# Altium PCB HTBBMSALL4G.PcbDoc (part 2 of 4)
Units mm, origin at the board's own origin, x right, y up, seen from the top; angles counter-clockwise.
Board outline 80.2 x 36.15 mm, 4 copper layers (Top Layer, SIG02, SIG03, Bottom Layer), stack 0.603 mm thick; 186 components, 121 nets, 547 pads, 871 vias.
Unrouted connection lines stored in the file: 10.
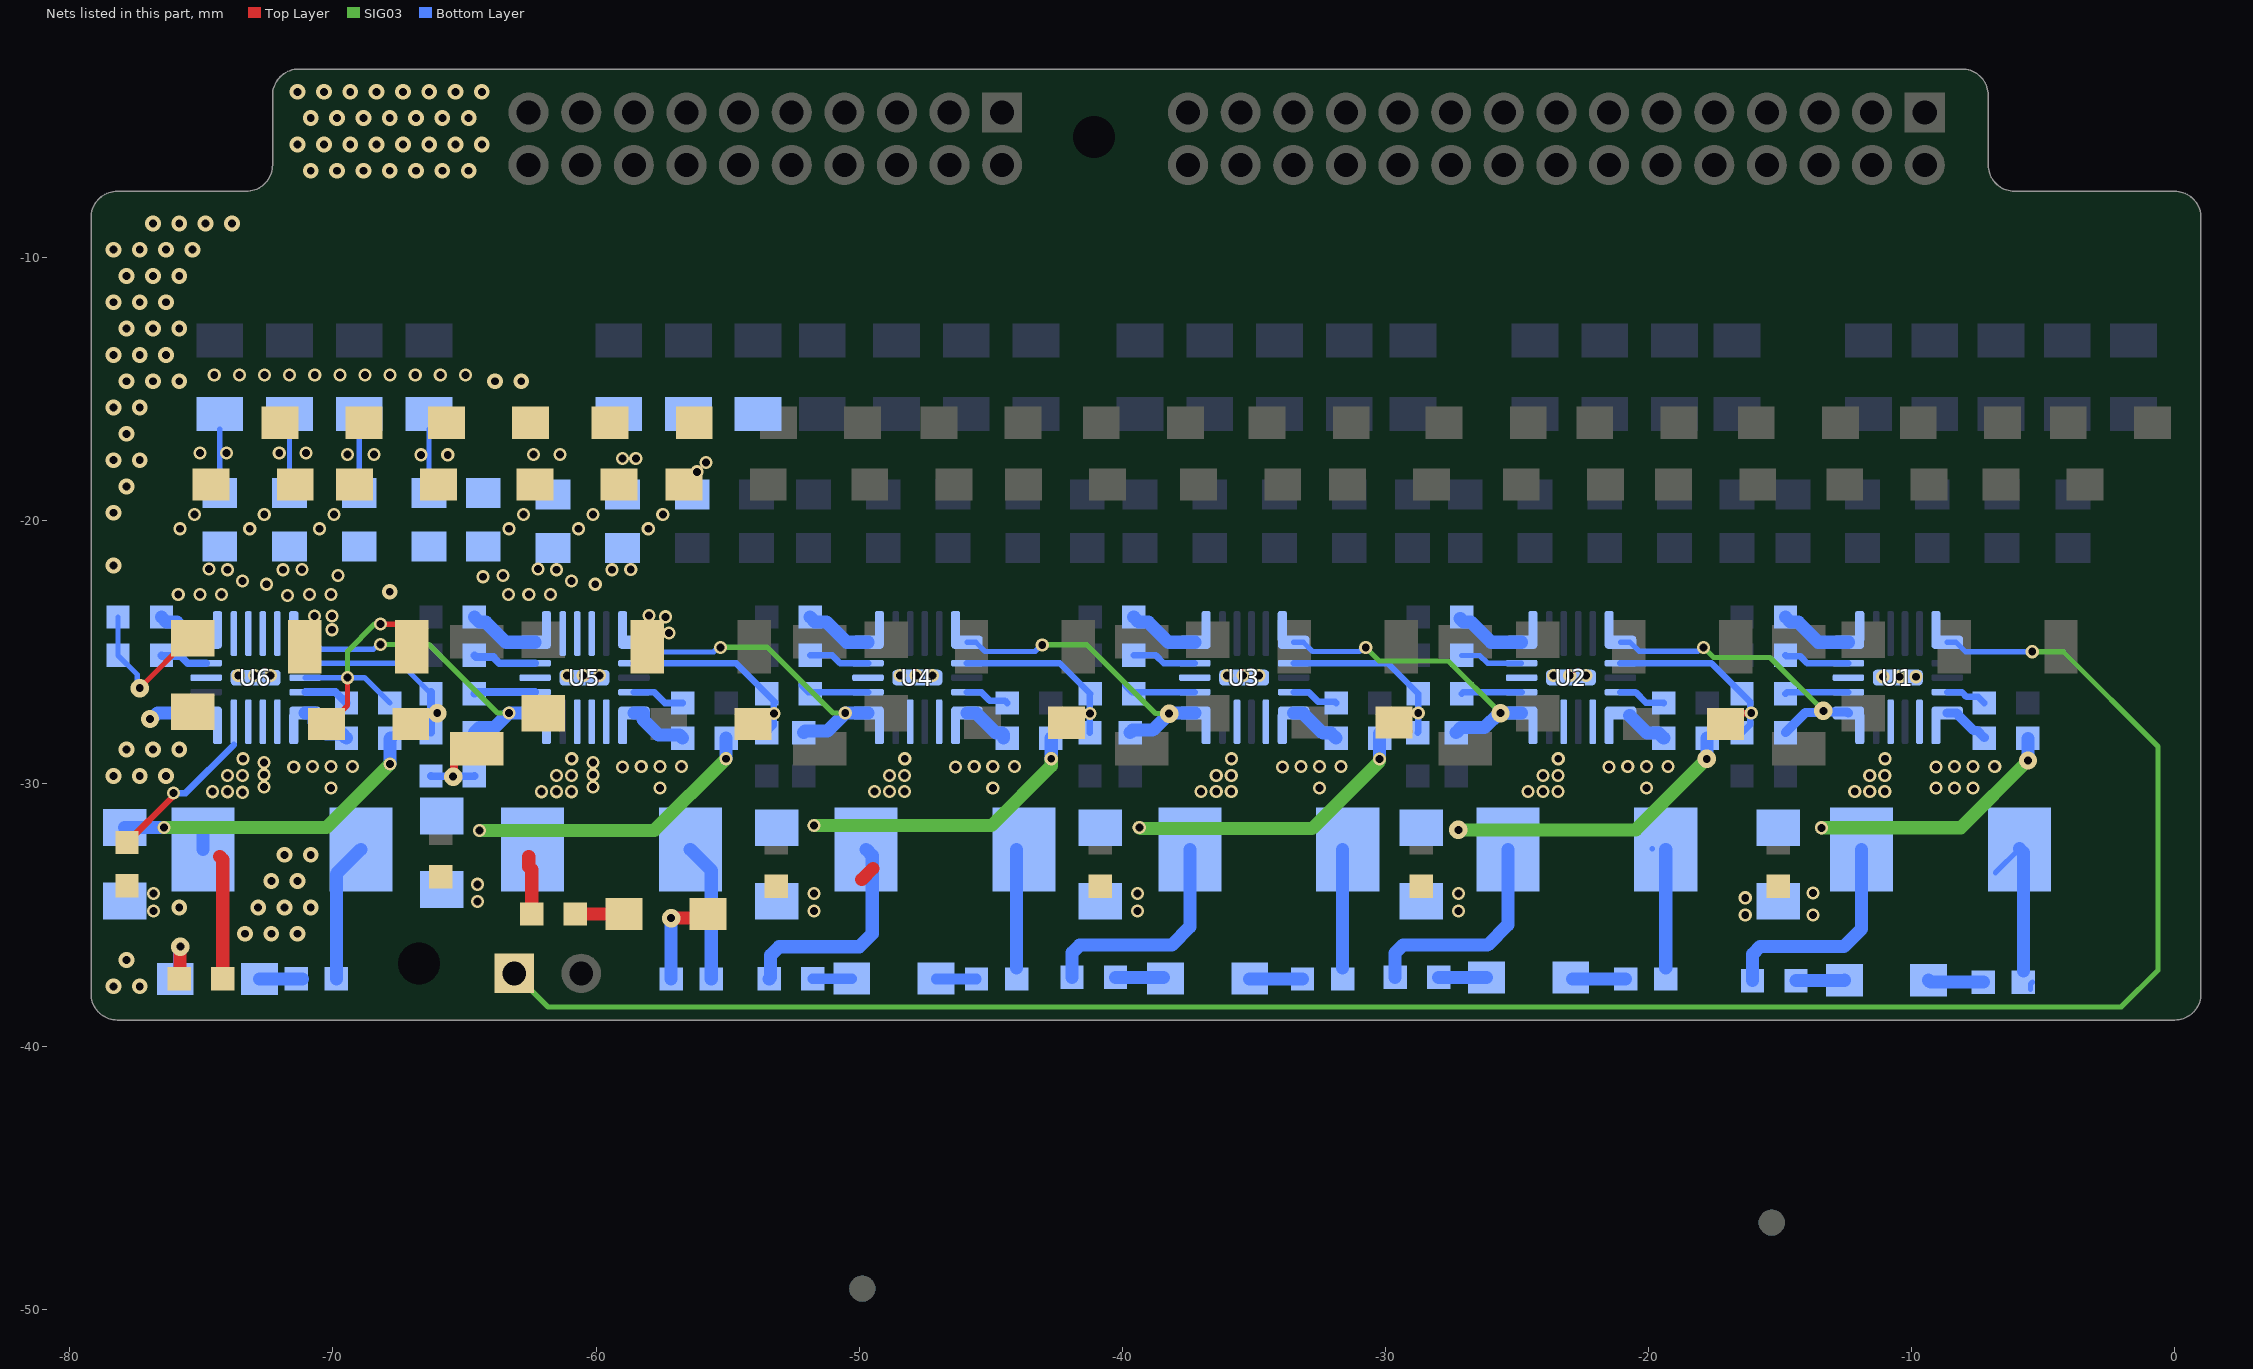
[diagram p4: the nets of this part, all layers, seen from the top]

## Via types
v1: diameter 0.5, hole 0.3, Top Layer to Bottom Layer, tented both sides, 551 vias
v2: diameter 0.6, hole 0.3, Top Layer to Bottom Layer, tented both sides, 221 vias
v3: diameter 0.5/0.5/0.5/0.5 (per signal layer), hole 0.3, Top Layer to Bottom Layer, tented both sides, 86 vias
v4: diameter 0.7, hole 0.3, Top Layer to Bottom Layer, tented both sides, 10 vias
v5: diameter 0.7, hole 0.3, Top Layer to Bottom Layer, 3 vias

## Nets (pads, with @x,y where several pads share a name; then routed paths per layer and width w, separated by ;. In a path a pad name is that pad's centre, name@x,y a point inside that pad or via, vN(x,y) a via of type N, cw(c..) or ccw(c..) an arc to the next point about the centre after c; other vN are vias at no path point) (continued)
N18: C5.1 C6.2 D218.2 D219.1 F18.2 U5.4
  other v1: -60.032,-22.436 -59.399,-21.882 -58.681,-21.874
  other v3: -58.015,-20.326 -57.464,-19.785 -56.168,-18.161 -55.821,-17.805
N19: C2.1 C5.2 D219.2 D220.1 F19.2 U5.3
  other v1: -60.934,-22.309 -61.505,-21.882 -62.209,-21.857
  other v3: -60.665,-20.326 -60.114,-19.785 -58.992,-17.653 -58.49,-17.653
N20: C2.2 C19.1 C39.1 C51.1 C52.1 C53.1 D2.2 D4.1 D6.1 D10.1 D220.2 F20.2 R9.2 R14.2 U5.2 U6.8 U6.14 | length 21.7
  Top Layer w0.2: v4(-77.344,-26.384) -77.344,-26.377 -75.449,-24.482 C19.1@-75.322,-24.482 ; D6.1@-70.247,-27.746 -70.157,-27.746 -69.451,-27.041 v1(-69.451,-25.985) ; v1(-68.197,-23.95) -67.54,-23.95 -67.005,-24.485 D4.1@-67.005,-24.809
  Top Layer w0.25: C39.1@-77.828,-32.25 -76.109,-30.531 -76.109,-30.42 v1(-76.061,-30.373)
  SIG03 w0.2: v1(-69.451,-25.985) -69.451,-24.984 -68.418,-23.95 v1(-68.197,-23.95)
  Bottom Layer w0.2: R14.2@-78.169,-23.68 R9.2@-78.169,-25.139 -77.44,-25.868 -77.44,-26.289 v4(-77.344,-26.384) ; U6.8@-71.06,-25.985 v1(-69.451,-25.985) -68.8,-25.985 C52.1@-67.837,-26.949
  Bottom Layer w0.25: v1(-76.061,-30.373) -75.605,-30.373 -73.765,-28.532
  other v1: -57.222,-24.284 -57.367,-23.672 -57.989,-23.628 -63.331,-22.819 -62.557,-22.822 -61.731,-22.822 -64.297,-22.149 -63.535,-22.103 -74.511,-14.486 -73.557,-14.486 -72.602,-14.486 -71.648,-14.486 -70.693,-14.486 -69.739,-14.486 -68.784,-14.486 -67.83,-14.486 -66.875,-14.486 -65.921,-14.486 -64.966,-14.486
  other v2: -78.344,-37.718 -77.344,-37.718 -77.844,-36.718 -73.344,-35.718 -72.344,-35.718 -71.344,-35.718 -75.844,-34.718 -72.844,-34.718 -71.844,-34.718 -70.844,-34.718 -72.344,-33.718 -71.344,-33.718 -71.844,-32.718 -70.844,-32.718 -78.344,-29.718 -77.344,-29.718 -76.344,-29.718 -77.844,-28.718 -76.844,-28.718 -75.844,-28.718 -67.844,-22.718 -78.344,-21.718 -78.344,-19.718 -77.844,-18.718 -78.344,-17.718 -77.344,-17.718 -77.844,-16.718 -78.344,-15.718 -77.344,-15.718 -77.844,-14.718 -76.844,-14.718 -75.844,-14.718 -63.844,-14.718 -62.844,-14.718 -78.344,-13.718 -77.344,-13.718 -76.344,-13.718 -77.844,-12.718 -76.844,-12.718 -75.844,-12.718 -78.344,-11.718 -77.344,-11.718 -76.344,-11.718 -77.844,-10.718 -76.844,-10.718 -75.844,-10.718 -78.344,-9.718 -77.344,-9.718 -76.344,-9.718 -75.344,-9.718 -76.844,-8.718 -75.844,-8.718 -74.844,-8.718 -73.844,-8.718 -70.844,-6.718 -69.844,-6.718 -68.844,-6.718 -67.844,-6.718 -66.844,-6.718 -65.844,-6.718 -64.844,-6.718 -71.344,-5.718 -70.344,-5.718 -69.344,-5.718 -68.344,-5.718 -67.344,-5.718 -66.344,-5.718 -65.344,-5.718 -64.344,-5.718 -70.844,-4.718 -69.844,-4.718 -68.844,-4.718 -67.844,-4.718 -66.844,-4.718 -65.844,-4.718 -64.844,-4.718 -71.344,-3.718 -70.344,-3.718 -69.344,-3.718 -68.344,-3.718 -67.344,-3.718 -66.344,-3.718 -65.344,-3.718 -64.344,-3.718
  other v3: -63.315,-20.326 -62.764,-19.785 -62.382,-17.508 -61.372,-17.508
N21: C1.2 C50.1 C51.2 C53.2 D9.1 D10.2 F24.2 R17.2 R18.1 TVS1.2 U5.12 U6.5 | length 6.8
  Top Layer w0.3: v4@-65.415,-29.728 -65.401,-29.714 TVS1.2@-65.401,-29.171 ; TVS1.2@-65.401,-29.171 TVS1.2@-64.916,-28.686 ; TVS1.2@-65.401,-29.171 TVS1.2@-64.916,-28.686 ; TVS1.2@-64.916,-28.686 TVS1.2@-64.535,-28.686 -64.657,-28.686 TVS1.2@-64.916,-28.686
  Bottom Layer w0.2: C51.2@-66.35,-18.968 F24.2@-66.35,-16.544
  Bottom Layer w0.3: R17.2@-66.276,-29.722 -66.264,-29.734 -65.444,-29.734 v4(-65.432,-29.745) ; v4@-65.409,-29.722 -65.398,-29.734 -64.636,-29.734 R18.1@-64.625,-29.722
  other v1: -60.124,-30.141 -60.124,-29.676 -60.124,-29.211 -71.73,-22.858 -70.894,-22.819 -70.076,-22.819 -69.804,-22.101
  other v3: -66.65,-17.515 -65.64,-17.515
N22: C45.1 C50.2 D8.1 D9.2 F23.2 U6.4 | length 2.4
  Bottom Layer w0.2: C50.2@-69,-18.968 F23.2@-69,-16.544
  other v1: -72.532,-22.436 -71.899,-21.882 -71.181,-21.874
  other v3: -70.515,-20.326 -69.964,-19.785 -69.451,-17.508 -68.441,-17.508
N23: C29.1 C45.2 D7.1 D8.2 F22.2 U6.3 | length 2.4
  Bottom Layer w0.2: C45.2@-71.65,-18.968 F22.2@-71.65,-16.544
  other v1: -73.434,-22.309 -74.005,-21.882 -74.709,-21.857
  other v3: -73.165,-20.326 -72.614,-19.785 -72.041,-17.441 -71.031,-17.441
N24: C19.2 C29.2 D4.2 D7.2 F21.2 U6.2 U6.12 U6.15 | length 4.7
  Bottom Layer w0.2: C29.2@-74.3,-18.968 F21.2@-74.3,-16.544
  Bottom Layer w0.5: v4(-76.954,-27.556) -76.9,-27.556 -76.675,-27.332 U6.15@-74.82,-27.332
  other v1: -72.624,-30.141 -72.624,-29.676 -72.624,-29.211 -70.036,-24.162 -70.699,-23.647 -70.036,-23.648 -75.882,-22.822 -75.057,-22.822 -74.231,-22.822
  other v3: -75.815,-20.326 -75.264,-19.785 -75.057,-17.441 -74.047,-17.441
NetC3_1: C3.1 L5.2 R1.2 R2.1 U5.13 | length 13.5
  Top Layer w0.5: -62.557,-32.778 -62.557,-33.173 -62.447,-33.282 R2.1@-62.447,-34.97
  SIG03 w0.5: v1(-64.437,-31.793) -57.785,-31.793 v1(-55.059,-29.066)
  Bottom Layer w0.5: v1(-55.059,-29.066) C3.1@-55.059,-28.285
  other v1: -62.076,-30.319 -61.505,-30.319 -60.934,-30.319 -61.505,-29.705 -60.934,-29.705 -60.923,-29.068
NetC3_2: C3.2 U5.10 | length 2.4
  Bottom Layer w0.5: U5.10@-58.56,-27.332 -58.21,-27.332 -58.21,-27.582 -57.622,-28.17 -56.825,-28.17 C3.2@-56.71,-28.285
NetC4_2: C4.2 R1.1
  other v1: -64.507,-34.498 -64.507,-33.84
NetC8_2: C8.2 U5.9 | length 2
  Bottom Layer w0.25: U5.9@-58.56,-26.535 -57.798,-26.535 -57.385,-26.949 C8.2@-56.71,-26.949
NetC16_2: C16.2 U1.9 | length 1.6
  Bottom Layer w0.25: U1.9@-8.644,-26.534 -8.091,-26.534 -7.909,-26.716 -7.468,-26.716 C16.2@-7.236,-26.949
NetC17_1: C17.1 L1.2 R15.1 R16.2 U1.13 | length 18.3
  SIG03 w0.5: v1(-13.421,-31.692) -8.133,-31.692 v4(-5.575,-29.134)
  Bottom Layer w0.5: R15.1@-16.044,-37.502 -16.044,-36.49 -15.751,-36.197 -12.564,-36.197 -11.9,-35.533 L1.2@-11.9,-32.515 ; v4(-5.575,-29.134) C17.1@-5.575,-28.294
  other v1: -12.16,-30.318 -11.589,-30.318 -11.017,-30.318 -11.589,-29.704 -11.017,-29.704 -11.007,-29.066
NetC17_2: C17.2 U1.10 | length 1.8
  Bottom Layer w0.35: U1.10@-8.644,-27.33 -8.294,-27.33 -8.219,-27.405 -8.219,-27.421 -7.644,-27.995 -7.505,-27.995 C17.2@-7.236,-28.264
NetC18_2: C18.2 R16.1
  other v1: -16.323,-35.011 -13.742,-35.011 -16.323,-34.353 -13.742,-34.172
NetC26_2: C26.2 U2.9 | length 1.8
  Bottom Layer w0.25: U2.9@-21.065,-26.534 -20.499,-26.534 -20.093,-26.939 -19.43,-26.939 C26.2@-19.42,-26.949
NetC27_1: C27.1 L2.2 R25.1 R26.2 U2.13 | length 19.9
  SIG03 w0.5: v4(-27.226,-31.772) -20.485,-31.772 v4(-17.784,-29.071)
  Bottom Layer w0.5: R25.1@-29.629,-37.375 -29.629,-36.444 -29.336,-36.151 -26.115,-36.151 -25.345,-35.381 L2.2@-25.345,-32.515 ; v4(-17.784,-29.071) -17.777,-29.063 C27.1@-17.777,-28.285
  other v1: -24.581,-30.318 -24.009,-30.318 -23.438,-30.318 -24.009,-29.704 -23.438,-29.704 -23.428,-29.066
NetC27_2: C27.2 U2.10 | length 1.6
  Bottom Layer w0.5: U2.10@-20.714,-27.428 -20.052,-28.09 -19.615,-28.09 C27.2@-19.42,-28.285
NetC28_2: C28.2 R26.1
  other v1: -27.227,-34.851 -27.227,-34.193
NetC36_2: C36.2 U3.9 | length 1.8
  Bottom Layer w0.25: U3.9@-33.485,-26.534 -32.918,-26.534 -32.544,-26.908 -31.912,-26.908 C36.2@-31.871,-26.949
NetC37_1: C37.1 L3.2 R35.1 R36.2 U3.13 | length 20
  SIG03 w0.5: v1(-39.353,-31.68) -39.312,-31.721 -32.785,-31.721 -30.22,-29.157 v1(-30.22,-29.071)
  Bottom Layer w0.5: R35.1@-41.909,-37.375 -41.909,-36.441 -41.616,-36.149 -38.123,-36.149 -37.431,-35.457 L3.2@-37.431,-32.514 ; v1(-30.22,-29.071) C37.1@-30.22,-28.101
  other v1: -37.001,-30.318 -36.43,-30.318 -35.859,-30.318 -36.43,-29.704 -35.859,-29.704 -35.849,-29.066
NetC37_2: C37.2 U3.10 | length 2
  Bottom Layer w0.5: U3.10@-33.485,-27.33 -33.135,-27.33 -32.375,-28.09 -32.066,-28.09 C37.2@-31.871,-28.285
NetC38_2: C38.2 R36.1
  other v1: -39.417,-34.848 -39.417,-34.19
NetC39_2: C39.2 R7.1
  other v1: -76.816,-34.851 -76.816,-34.193
NetC46_2: C46.2 U4.9 | length 1.7
  Bottom Layer w0.25: U4.9@-45.906,-26.534 -45.369,-26.534 -45.045,-26.858 -44.463,-26.858 C46.2@-44.372,-26.949
NetC47_1: C47.1 L4.2 R45.1 R46.2 U4.13 | length 20
  Top Layer w0.5: -49.902,-33.66 -49.48,-33.238
  SIG03 w0.5: v1(-51.717,-31.602) -51.714,-31.605 -44.967,-31.605 -42.7,-29.338 v1(-42.7,-29.068)
  Bottom Layer w0.5: R45.1@-53.42,-37.432 -53.368,-37.38 -53.368,-36.535 -53.043,-36.21 -49.998,-36.21 -49.506,-35.718 -49.506,-32.748 L4.2@-49.739,-32.514 ; v1(-42.7,-29.068) C47.1@-42.7,-28.283
  other v1: -49.422,-30.318 -48.851,-30.318 -48.279,-30.318 -48.851,-29.704 -48.279,-29.704 -48.269,-29.066
NetC47_2: C47.2 U4.10 | length 1.9
  Bottom Layer w0.5: U4.10@-45.905,-27.33 -45.555,-27.33 -44.795,-28.09 -44.566,-28.09 -44.512,-28.145 C47.2@-44.512,-28.285
NetC48_2: C48.2 R46.1 | length 0
  Top Layer w0.2: C48.2@-53.286,-34.112 C48.2@-53.272,-34.126
  other v1: -51.722,-34.851 -51.722,-34.193
NetC49_1: C49.1 L6.2 R7.2 R8.1 U6.13 | length 19.1
  Top Layer w0.5: -74.306,-32.778 -74.188,-32.896 R8.1@-74.188,-37.434
  SIG03 w0.5: v1(-76.427,-31.683) -70.249,-31.683 v1(-67.839,-29.273)
  Bottom Layer w0.5: R7.2@-77.913,-31.683 -74.941,-31.683 L6.2@-74.941,-32.514 ; v1(-67.839,-29.273) -67.839,-28.318 C49.1@-67.806,-28.285
  other v1: -73.444,-30.343 -74.576,-30.319 -74.005,-30.319 -74.005,-29.705 -73.434,-29.705 -73.423,-29.068
NetC49_2: C49.2 U6.10 | length 2.2
  Bottom Layer w0.5: U6.10@-71.06,-27.332 -70.71,-27.332 -70.71,-27.682 -70.272,-28.119 -69.653,-28.119 C49.2@-69.488,-28.285
NetC52_2: C52.2 U6.9 | length 1.7
  Bottom Layer w0.3: U6.9@-71.052,-26.535 -69.901,-26.535 C52.2@-69.488,-26.949
NetD1_2: D1.2 R12.1 R24.1 U2.7 | length 8
  Top Layer w0.25: D1.2@-17.073,-27.75 -16.652,-27.33 v1(-16.094,-27.33)
  Bottom Layer w0.25: U2.7@-21.065,-25.434 -17.607,-25.434 -16.124,-26.917 v1@-16.124,-27.359 ; R24.1@-16.443,-28.071 -16.124,-27.752 v1@-16.124,-27.359 ; v1(-16.094,-27.33) v1@-16.124,-27.359
NetD3_1: D3.1 R2.2 | length 1.9
  Top Layer w0.5: R2.2@-60.796,-34.97 D3.1@-58.942,-34.97
NetD3_2: D3.2 LED1.1 | length 3.8
  Top Layer w0.5: v5(-57.147,-35.123) -55.895,-35.123 D3.2@-55.742,-34.97
  Bottom Layer w0.5: LED1.1@-57.147,-37.439 v5(-57.147,-35.123)
NetD5_1: D5.1 R8.2 | length 2.5
  Top Layer w0.5: R8.2@-75.839,-37.434 -75.819,-37.414 -75.819,-36.23 v5(-75.8,-36.21)
  Bottom Layer w0.5: D5.1@-75.993,-37.439 -75.838,-37.284 -75.838,-36.248 v5(-75.8,-36.21)
NetD5_2: D5.2 LED2.1 | length 1.6
  Bottom Layer w0.5: D5.2@-72.793,-37.439 LED2.1@-71.162,-37.439
NetD6_2: D6.2 R17.1 R19.1 U6.7 | length 7.1
  Bottom Layer w0.2: U6.7@-71.06,-25.435 -67.438,-25.435 R19.1@-66.276,-26.598
  Bottom Layer w0.3: R17.1@-66.276,-28.071 -66.276,-27.335 v4@-66.276,-27.093 ; R19.1@-66.276,-26.526 v4@-66.276,-27.093 ; v4(-66.039,-27.33) v4@-66.276,-27.093
NetD11_1: D11.1 R15.2 | length 1.8
  Bottom Layer w0.5: R15.2@-14.393,-37.502 -14.385,-37.494 -12.563,-37.494 D11.1@-12.555,-37.486
NetD11_2: D11.2 LED11.1 | length 2.1
  Bottom Layer w0.5: D11.2@-9.355,-37.486 -9.284,-37.558 LED11.1@-7.276,-37.558
NetD20_2: D20.2 R22.1 R34.1 U3.7 | length 8.5
  Top Layer w0.2: D20.2@-29.678,-27.522 -29.587,-27.522 D20.2@-29.078,-28.032
  Top Layer w0.25: D20.2@-29.678,-27.522 -29.485,-27.33 v1(-28.75,-27.33)
  Bottom Layer w0.25: U3.7@-33.485,-25.434 -29.913,-25.434 R22.1@-28.749,-26.598 -28.749,-28.046 R34.1@-28.775,-28.071
NetD21_1: D21.1 R25.2 | length 1.8
  Bottom Layer w0.5: R25.2@-27.978,-37.375 D21.1@-26.156,-37.375
NetD21_2: D21.2 LED12.1 | length 2
  Bottom Layer w0.5: D21.2@-22.877,-37.439 LED12.1@-20.869,-37.439
NetD30_2: D30.2 R32.1 R44.1 U4.7 | length 7.5
  Top Layer w0.25: D30.2@-41.949,-27.589 -41.702,-27.342 v1(-41.229,-27.342)
  Bottom Layer w0.25: U4.7@-45.906,-25.434 -42.377,-25.434 R32.1@-41.214,-26.598 -41.229,-26.613 R44.1@-41.229,-28.071
NetD31_1: D31.1 R35.2 | length 1.8
  Bottom Layer w0.5: R35.2@-40.258,-37.375 D31.1@-38.436,-37.375
NetD31_2: D31.2 LED13.1 | length 2
  Bottom Layer w0.5: D31.2@-35.157,-37.439 LED13.1@-33.149,-37.439
NetD40_2: D40.2 R4.1 R5.1 U5.7 | length 7.5
  Top Layer w0.25: D40.2@-53.461,-27.33 -53.26,-27.33 v1(-53.24,-27.35)
  Bottom Layer w0.25: U5.7@-58.56,-25.435 -54.677,-25.435 -53.195,-26.917 -53.24,-26.917 -53.24,-27.796 R4.1@-53.516,-28.071
NetD41_1: D41.1 R45.2 | length 1.5
  Bottom Layer w0.2: R45.2@-51.769,-37.432 R45.2@-51.76,-37.424
  Bottom Layer w0.4: R45.2@-51.76,-37.424 D41.1@-50.284,-37.424
NetD41_2: D41.2 LED14.1 | length 1.5
  Bottom Layer w0.2: D41.2@-47.084,-37.424 D41.2@-47.069,-37.439
  Bottom Layer w0.4: D41.2@-47.069,-37.439 LED14.1@-45.542,-37.439
NetL1_1: L1.1 LED11.2 U1.11 U1.17 U1.19 | length 6.3
  Bottom Layer w0.2: L1.1@-6.809,-33.396 L1.1@-5.9,-32.486 ; LED11.2@-5.483,-37.827 -5.483,-37.633 LED11.2@-5.408,-37.558
  Bottom Layer w0.5: L1.1@-5.9,-32.486 -5.752,-32.634 LED11.2@-5.752,-37.131
  other v1: -9.073,-30.178 -8.366,-30.178 -7.659,-30.178 -9.073,-29.379 -8.366,-29.36 -7.659,-29.36 -6.841,-29.36 -11.094,-25.948 -10.46,-25.948 -9.825,-25.948
NetL2_1: L2.1 LED12.2 U2.11 U2.17 U2.19 | length 4.5
  Bottom Layer w0.2: L2.1@-19.865,-32.499 L2.1@-19.853,-32.486
  Bottom Layer w0.5: LED12.2@-19.345,-37.012 L2.1@-19.345,-32.515
  other v1: -20.08,-30.178 -21.494,-29.379 -20.787,-29.36 -20.08,-29.36 -19.262,-29.36 -23.603,-25.903 -22.991,-25.903 -22.379,-25.903
NetL3_1: L3.1 LED13.2 U3.11 U3.17 U3.19 | length 4.5
  Bottom Layer w0.5: LED13.2@-31.625,-37.012 L3.1@-31.625,-32.515
  other v1: -32.5,-30.178 -33.915,-29.379 -33.207,-29.36 -32.5,-29.36 -31.682,-29.36 -36.024,-25.903 -35.412,-25.903 -34.8,-25.903
NetL4_1: L4.1 LED14.2 U4.11 U4.17 U4.19 | length 4.5
  Bottom Layer w0.5: LED14.2@-44.018,-37.012 L4.1@-44.018,-32.515
  other v1: -44.921,-30.178 -46.335,-29.379 -45.628,-29.36 -44.921,-29.36 -44.103,-29.36 -48.444,-25.903 -47.832,-25.903 -47.22,-25.903
NetL5_1: L5.1 LED1.2 U5.11 U5.17 U5.19 | length 5.3
  Bottom Layer w0.5: L5.1@-56.418,-32.515 -55.623,-33.31 LED1.2@-55.623,-37.439
  other v1: -57.575,-30.179 -58.989,-29.38 -58.282,-29.361 -57.575,-29.361 -56.757,-29.361 -61.099,-25.905 -60.487,-25.905 -59.874,-25.905
NetL6_1: L6.1 LED2.2 U6.11 U6.17 U6.19 | length 5.3
  Bottom Layer w0.5: LED2.2@-69.873,-37.434 -69.873,-33.445 L6.1@-68.941,-32.514
  other v1: -70.075,-30.179 -71.489,-29.38 -70.782,-29.361 -70.075,-29.361 -69.257,-29.361 -73.599,-25.905 -72.987,-25.905 -72.374,-25.905
NetR3_1: R3.1 U5.18 | length 2.4
  Bottom Layer w0.3: R3.1@-64.625,-25.139 -64.557,-25.206 -63.906,-25.206 -63.676,-25.435 U5.18@-62.319,-25.435
NetR5_2: R5.2 U4.16 | length 2.6
  Bottom Layer w0.25: R5.2@-52.183,-26.278 -51.927,-26.534 U4.16@-49.665,-26.534
NetR6_2: R6.2 U4.15 U5.6 | length 12
  SIG03 w0.2: v1(-55.274,-24.833) -53.492,-24.833 -50.994,-27.33 v1(-50.528,-27.33)
  Bottom Layer w0.2: U5.6@-58.56,-24.639 -58.196,-24.639 -57.826,-25.009 -55.531,-25.009 -55.355,-24.833 v1(-55.274,-24.833)
  Bottom Layer w0.5: R6.2@-52.107,-28.071 -52.052,-28.016 -51.214,-28.016 v1(-50.528,-27.33) U4.15@-49.665,-27.33
NetR9_1: R9.1 U6.18 | length 1.8
  Bottom Layer w0.3: R9.1@-76.518,-25.139 -76.501,-25.156 -75.8,-25.156 -75.521,-25.435 U6.18@-74.819,-25.435
NetR10_1: R10.1 U1.1 | length 2.8
  Bottom Layer w0.5: R10.1@-14.792,-23.679 -14.598,-23.874 -14.309,-23.874 -13.545,-24.638 U1.1@-12.404,-24.638
NetR11_1: R11.1 U1.18 | length 2.5
  Bottom Layer w0.25: R11.1@-14.792,-25.139 -14.764,-25.167 -14.237,-25.167 -13.97,-25.434 U1.18@-12.403,-25.434
NetR12_2: R12.2 U1.16 | length 2.4
  Bottom Layer w0.25: R12.2@-14.792,-26.598 -14.729,-26.534 U1.16@-12.403,-26.534
NetR13_2: R13.2 U1.15 U2.6 | length 11.7
  SIG03 w0.2: v1(-17.903,-24.833) -17.521,-25.214 -15.384,-25.214 v4(-13.354,-27.245)
  Bottom Layer w0.2: U2.6@-21.064,-24.638 -20.701,-24.638 -20.361,-24.978 -18.129,-24.978 -17.984,-24.833 v1(-17.903,-24.833)
  Bottom Layer w0.35: R13.2@-14.792,-28.071 -14.032,-27.312 -13.421,-27.312 v4(-13.354,-27.245) -13.311,-27.287 -12.446,-27.287 U1.15@-12.404,-27.33
NetR14_1: R14.1 U6.1 | length 2.1
  Bottom Layer w0.5: R14.1@-76.518,-23.68 -76.324,-23.874 -75.935,-23.874 -75.17,-24.639 U6.1@-74.82,-24.639
NetR18_2: R18.2 U5.15 U6.6 | length 11.6
  SIG03 w0.2: v1(-68.197,-24.726) -66.351,-24.726 -63.747,-27.33 v1(-63.315,-27.33)
  Bottom Layer w0.2: U6.6@-71.06,-24.639 -70.71,-24.639 -70.443,-24.906 -68.459,-24.906 -68.279,-24.726 v1(-68.197,-24.726)
  Bottom Layer w0.5: R18.2@-64.625,-28.071 -64.434,-27.881 -63.865,-27.881 v1(-63.315,-27.33) -63.313,-27.332 U5.15@-62.32,-27.332
NetR19_2: R19.2 U5.16 | length 2.3
  Bottom Layer w0.3: R19.2@-64.625,-26.598 -64.562,-26.535 U5.16@-62.319,-26.535
NetR20_1: R20.1 U2.1 | length 3.2
  Bottom Layer w0.2: R20.1@-27.098,-23.679 R20.1@-26.754,-24.024
  Bottom Layer w0.5: R20.1@-27.153,-23.74 -27.018,-23.874 -26.744,-23.874 -25.98,-24.638 U2.1@-24.824,-24.638
NetR21_1: R21.1 U2.18 | length 2.4
  Bottom Layer w0.2: R21.1@-27.098,-25.139 -26.416,-25.139 -26.12,-25.434 -25.791,-25.434 U2.18@-24.824,-25.434
NetR22_2: R22.2 U2.16 | length 2.3
  Bottom Layer w0.25: R22.2@-27.098,-26.598 -27.035,-26.534 U2.16@-24.824,-26.534
NetR23_2: R23.2 U2.15 U3.6 | length 11.9
  SIG03 w0.2: v1(-30.745,-24.833) -30.231,-25.347 -27.608,-25.347 v4(-25.626,-27.33)
  Bottom Layer w0.2: U3.6@-33.485,-24.638 -33.121,-24.638 -32.766,-24.993 -30.986,-24.993 -30.826,-24.833 v1(-30.745,-24.833)
  Bottom Layer w0.5: R23.2@-27.312,-28.071 -27.118,-27.877 -26.227,-27.877 -25.68,-27.33 v4(-25.626,-27.33) U2.15@-24.824,-27.33
NetR30_1: R30.1 U3.1 | length 2.7
  Bottom Layer w0.5: R30.1@-39.563,-23.679 -39.368,-23.874 -39.008,-23.874 -38.244,-24.638 U3.1@-37.245,-24.638
NetR31_1: R31.1 U3.18 | length 2.4
  Bottom Layer w0.25: R31.1@-39.563,-25.139 -38.72,-25.139 -38.424,-25.434 U3.18@-37.244,-25.434
NetR32_2: R32.2 U3.16 | length 2.7
  Bottom Layer w0.25: R32.2@-39.882,-26.278 -39.626,-26.534 U3.16@-37.244,-26.534
NetR33_2: R33.2 U3.15 U4.6 | length 11.8
  SIG03 w0.2: v1(-43.044,-24.739) -41.338,-24.739 -38.734,-27.343 -38.229,-27.343 v4(-38.222,-27.35)
  Bottom Layer w0.2: U4.6@-45.905,-24.638 -45.569,-24.638 -45.214,-24.993 -43.311,-24.993 -43.057,-24.739 v1(-43.044,-24.739)
  Bottom Layer w0.5: R33.2@-39.702,-28.071 -39.607,-27.976 -38.848,-27.976 -38.202,-27.33 U3.15@-37.245,-27.33
NetR40_1: R40.1 U4.1 | length 2.6
  Bottom Layer w0.5: R40.1@-51.864,-23.679 -51.669,-23.874 -51.239,-23.874 -50.475,-24.638 U4.1@-49.665,-24.638
NetR41_1: R41.1 U4.18 | length 2.3
  Bottom Layer w0.25: R41.1@-51.864,-25.139 -51.021,-25.139 -50.725,-25.434 U4.18@-49.665,-25.434
NetR50_1: R50.1 U5.1 | length 2.7
  Bottom Layer w0.5: R50.1@-64.625,-23.679 -64.43,-23.874 -64.19,-23.874 -63.425,-24.639 U5.1@-62.32,-24.639
START2645: J2.1 U1.6 | length 81.7
  SIG03 w0.2: J2.1@-63.105,-37.226 -61.828,-38.503 -2.033,-38.503 -0.637,-37.107 -0.637,-28.598 -4.237,-24.998 v1(-5.411,-24.998)
  Bottom Layer w0.2: U1.6@-8.644,-24.638 -8.307,-24.638 -7.947,-24.998 v1(-5.411,-24.998)
pads on no net: ?.1 U6.16

## Polygon pours and split planes (outlines as drawn)
GND on Bottom Layer "NONET_L-01_P-001" (solid, remove dead copper, pour order 1032): 17 vertices, not listed, extent -16.82,-38.816 0.542,-3.469
N4 on Bottom Layer "NONET_L-01_P-001" (solid, remove dead copper, pour order 1028): -17.866,-3.469 -16.676,-4.659 -16.676,-37.503 -17.784,-38.611 -28.076,-38.611 -29.626,-37.06 -29.626,-21.822 -27.17,-19.365 -27.17,-4.496 -26.143,-3.469
N8 on Bottom Layer "NONET_L-01_P-001" (solid, remove dead copper, pour order 1024): 19 vertices, not listed, extent -41.584,-38.611 -27.568,-3.22
N12 on Bottom Layer "NONET_L-01_P-001" (solid, remove dead copper, pour order 1020): 20 vertices, not listed, extent -54.316,-38.611 -38.102,-3.22
N16 on Bottom Layer "NONET_L-01_P-001" (solid, remove dead copper, pour order 1015): 26 vertices, not listed, extent -67.227,-38.611 -48.18,-3.22
N20 on Bottom Layer "NONET_L-01_P-001" (solid, remove dead copper, pour order 1012): 26 vertices, not listed, extent -78.929,-38.611 -60.55,-3.217
Bt0 on Bottom Layer "NONET_L-01_P-001" (solid, remove dead copper, pour order 1002): 20 vertices, not listed, extent -10.296,-13.849 -0.475,-3.529
Bt1 on Bottom Layer "NONET_L-01_P-001" (solid, remove dead copper, pour order 1001): 21 vertices, not listed, extent -12.293,-13.809 -3.223,-3.608
Bt24 on Bottom Layer "NONET_L-01_P-001" (solid, remove dead copper, pour order 848): 17 vertices, not listed, extent -74.912,-13.746 -61.762,-3.469
Bt23 on Bottom Layer "NONET_L-01_P-001" (solid, remove dead copper, pour order 847): 17 vertices, not listed, extent -72.232,-13.746 -59.798,-3.469
Bt22 on Bottom Layer "NONET_L-01_P-001" (solid, remove dead copper, pour order 846): 18 vertices, not listed, extent -69.662,-13.746 -57.783,-3.469
Bt21 on Bottom Layer "NONET_L-01_P-001" (solid, remove dead copper, pour order 845): -57.018,-3.469 -57.339,-3.79 -57.339,-7.351 -62.481,-12.493 -66.892,-12.493 -67.128,-12.729 -67.128,-13.583 -66.965,-13.746 -61.913,-13.746 -55.79,-7.623 -55.79,-3.717 -56.038,-3.469
Bt20 on Bottom Layer "NONET_L-01_P-001" (solid, remove dead copper, pour order 844): -55.133,-3.469 -55.354,-3.69 -55.354,-7.698 -59.661,-12.005 -59.661,-13.42 -59.336,-13.746 -58.49,-13.746 -58.291,-13.547 -58.291,-12.243 -53.785,-7.738 -53.785,-3.65 -53.966,-3.469
Bt19 on Bottom Layer "NONET_L-01_P-001" (solid, remove dead copper, pour order 843): -53.181,-3.469 -53.344,-3.632 -53.344,-7.827 -56.979,-11.462 -56.979,-13.315 -56.548,-13.746 -55.962,-13.746 -55.715,-13.499 -55.715,-12.105 -51.773,-8.164 -51.773,-3.651 -51.956,-3.469
Bt18 on Bottom Layer "NONET_L-01_P-001" (solid, remove dead copper, pour order 842): -50.975,-3.469 -51.334,-3.828 -51.334,-8.212 -54.391,-11.269 -54.391,-13.548 -54.194,-13.746 -53.303,-13.746 -53.073,-13.516 -53.073,-11.718 -49.787,-8.433 -49.787,-3.791 -50.109,-3.469
Bt17 on Bottom Layer "NONET_L-01_P-001" (solid, remove dead copper, pour order 841): -49.063,-3.469 -49.358,-3.765 -49.358,-8.619 -52.029,-11.29 -52.029,-13.536 -51.82,-13.746 -50.911,-13.746 -50.66,-13.495 -50.66,-11.963 -47.783,-9.085 -47.783,-3.713 -48.027,-3.469
Bt16 on Bottom Layer "NONET_L-01_P-001" (solid, remove dead copper, pour order 840): -46.996,-3.469 -47.32,-3.793 -47.32,-9.177 -49.164,-11.021 -49.164,-13.512 -48.93,-13.746 -47.977,-13.746 -47.832,-13.601 -47.832,-11.778 -45.791,-9.736 -45.791,-3.751 -46.072,-3.469 -46.282,-3.469
Bt15 on Bottom Layer "NONET_L-01_P-001" (solid, remove dead copper, pour order 839): -45.058,-3.469 -45.386,-3.796 -45.386,-10.058 -46.451,-11.123 -46.451,-13.504 -46.209,-13.746 -45.373,-13.746 -45.108,-13.481 -45.108,-11.505 -43.757,-10.155 -43.757,-3.724 -44.012,-3.469
Bt14 on Bottom Layer "NONET_L-01_P-001" (solid, remove dead copper, pour order 838): -36.935,-3.469 -38.123,-3.469 -38.545,-3.891 -38.545,-7.229 -43.883,-12.567 -43.883,-13.632 -43.769,-13.746 -42.66,-13.746 -42.46,-13.546 -42.46,-12.889 -36.699,-7.128 -36.699,-3.705
Bt13 on Bottom Layer "NONET_L-01_P-001" (solid, remove dead copper, pour order 837): -36.142,-3.469 -36.269,-3.595 -36.269,-7.498 -39.861,-11.09 -39.861,-13.53 -39.645,-13.746 -38.85,-13.746 -38.563,-13.459 -38.563,-11.821 -34.692,-7.95 -34.692,-3.588 -34.81,-3.469 -35.064,-3.469
Bt12 on Bottom Layer "NONET_L-01_P-001" (solid, remove dead copper, pour order 836): -32.878,-3.469 -33.955,-3.469 -34.273,-3.787 -34.273,-7.959 -37.205,-10.891 -37.205,-13.543 -37.002,-13.746 -36.171,-13.746 -35.985,-13.56 -35.985,-11.552 -32.67,-8.238 -32.67,-3.677
Bt11 on Bottom Layer "NONET_L-01_P-001" (solid, remove dead copper, pour order 835): -31.996,-3.469 -32.254,-3.727 -32.254,-8.376 -34.586,-10.708 -34.586,-13.469 -34.309,-13.746 -33.506,-13.746 -33.29,-13.53 -33.29,-11.491 -30.628,-8.829 -30.628,-3.652 -30.812,-3.469 -31.089,-3.469
Bt10 on Bottom Layer "NONET_L-01_P-001" (solid, remove dead copper, pour order 834): -29.895,-3.469 -30.279,-3.853 -30.279,-9.242 -32.013,-10.975 -32.013,-13.37 -31.637,-13.746 -30.946,-13.746 -30.751,-13.552 -30.751,-11.536 -28.75,-9.535 -28.75,-3.673 -28.953,-3.469
Bt9 on Bottom Layer "NONET_L-01_P-001" (solid, remove dead copper, pour order 833): -26.988,-3.469 -27.95,-3.469 -28.291,-3.81 -28.291,-9.784 -29.545,-11.038 -29.545,-13.508 -29.307,-13.746 -28.335,-13.746 -28.244,-13.655 -28.244,-11.953 -26.71,-10.419 -26.71,-3.746
Bt8 on Bottom Layer "NONET_L-01_P-001" (solid, remove dead copper, pour order 832): -26.143,-3.469 -26.263,-3.59 -26.263,-12.302 -24.964,-13.601 -24.819,-13.746 -23.82,-13.746 -23.65,-13.576 -23.65,-12.74 -24.713,-11.677 -24.713,-3.593 -24.838,-3.469 -25.102,-3.469
Bt7 on Bottom Layer "NONET_L-01_P-001" (solid, remove dead copper, pour order 831): -22.897,-3.469 -24.016,-3.469 -24.299,-3.751 -24.299,-11.172 -22.318,-13.153 -22.318,-13.565 -22.136,-13.746 -21.166,-13.746 -21.056,-13.636 -21.056,-12.767 -22.664,-11.16 -22.664,-3.702
Bt6 on Bottom Layer "NONET_L-01_P-001" (solid, remove dead copper, pour order 830): -21.019,-3.469 -21.858,-3.469 -22.271,-3.882 -22.271,-10.63 -19.768,-13.133 -19.768,-13.43 -19.452,-13.746 -18.561,-13.746 -18.305,-13.49 -18.305,-12.689 -20.703,-10.291 -20.703,-3.784
Bt5 on Bottom Layer "NONET_L-01_P-001" (solid, remove dead copper, pour order 829): -18.916,-3.469 -19.891,-3.469 -20.26,-3.838 -20.26,-10.155 -17.423,-12.992 -17.423,-13.509 -17.186,-13.746 -15.959,-13.746 -15.844,-13.631 -15.844,-12.667 -18.668,-9.843 -18.668,-3.717
Bt4 on Bottom Layer "NONET_L-01_P-001" (solid, remove dead copper, pour order 828): -17.92,-3.469 -18.219,-3.768 -18.219,-9.659 -14.132,-13.746 -10.85,-13.746 -10.691,-13.587 -10.691,-12.872 -11.013,-12.549 -13.603,-12.549 -16.681,-9.471 -16.681,-3.816 -17.028,-3.469
Bt3 on Bottom Layer "NONET_L-01_P-001" (solid, remove dead copper, pour order 827): 17 vertices, not listed, extent -16.285,-13.746 -8.483,-3.469
Bt2 on Bottom Layer "NONET_L-01_P-001" (solid, remove dead copper, pour order 825): 17 vertices, not listed, extent -14.286,-13.746 -5.986,-3.469
NetC3_1 on Bottom Layer "NETC3_1_L04_P571" (solid, remove dead copper, pour order 571): -60.835,-26.798 -60.578,-26.798 -60.578,-34.036 -60.686,-34.143 -62.98,-34.143 -63.022,-34.101 -63.022,-30.77 -62.016,-29.764 -60.878,-28.627 -60.878,-26.841
NetC39_2 on Bottom Layer "NONET_L-01_P-001" (solid, remove dead copper, pour order 1007): -76.675,-33.627 -78.714,-33.627 -78.929,-33.842 -78.929,-35.241 -78.729,-35.441 -76.72,-35.441 -76.501,-35.222 -76.501,-33.802
NetC4_2 on Bottom Layer "NONET_L-01_P-001" (solid, remove dead copper, pour order 708): -64.297,-33.445 -66.535,-33.445 -66.566,-33.476 -66.566,-33.777 -65.342,-35.001 -64.402,-35.001 -64.069,-34.668 -64.069,-33.673
N24 on Bottom Layer "NONET_L-01_P-001" (solid, remove dead copper, pour order 772): -75.553,-15.333 -76.376,-16.156 -76.376,-19.054 -75.011,-19.054 -74.504,-19.561 -73.561,-19.561 -73.315,-19.315 -73.315,-15.579 -73.561,-15.333
N23 on Bottom Layer "NONET_L-01_P-001" (solid, remove dead copper, pour order 771): -72.481,-15.333 -72.863,-15.715 -72.863,-19.445 -71.562,-19.445 -71.222,-19.785 -70.699,-19.261 -70.699,-15.557 -70.923,-15.333
N22 on Bottom Layer "NONET_L-01_P-001" (solid, remove dead copper, pour order 770): -69.747,-15.333 -70.188,-15.774 -70.188,-19.409 -68.97,-19.409 -68.572,-19.808 -67.984,-19.22 -67.984,-15.547 -68.198,-15.333
N21 on Bottom Layer "NONET_L-01_P-001" (solid, remove dead copper, pour order 769): -67.067,-15.333 -67.598,-15.864 -67.598,-19.032 -66.823,-19.808 -63.982,-19.808 -63.535,-19.36 -63.535,-15.721 -63.923,-15.333
N20 on Bottom Layer "NONET_L-01_P-001" (solid, remove dead copper, pour order 768): -60.584,-15.333 -62.772,-17.521 -62.772,-18.538 -62.619,-18.538 -61.372,-19.785 -60.481,-18.894 -60.481,-18.366 -58.897,-16.781 -58.449,-16.781 -58.099,-16.431 -58.099,-15.582 -58.348,-15.333
N19 on Bottom Layer "NONET_L-01_P-001" (solid, remove dead copper, pour order 767): -57.361,-15.333 -57.688,-15.659 -57.688,-16.48 -58.389,-17.181 -58.86,-17.181 -60.031,-18.352 -58.785,-19.598 -58.535,-19.598 -58.535,-19.292 -57.222,-17.979 -56.721,-17.979 -55.615,-16.873 -55.615,-15.539 -55.821,-15.333
N18 on Bottom Layer "NONET_L-01_P-001" (solid, remove dead copper, pour order 766): -54.615,-15.333 -54.898,-15.615 -54.898,-16.513 -55.434,-17.05 -56.945,-18.56 -55.885,-19.621 -55.571,-19.307 -55.571,-19.085 -54.464,-17.979 -53.545,-17.979 -52.897,-17.33 -52.897,-15.527 -53.091,-15.333
N17 on Bottom Layer "NONET_L-01_P-001" (solid, remove dead copper, pour order 765): -52.186,-15.333 -52.416,-15.562 -52.416,-17.524 -53.325,-18.433 -52.146,-19.612 -51.021,-19.612 -50.475,-19.066 -50.475,-15.535 -50.677,-15.333
N16 on Bottom Layer "NONET_L-01_P-001" (solid, remove dead copper, pour order 764): -49.52,-15.333 -50.117,-15.93 -50.117,-18.802 -48.952,-18.802 -48.344,-19.409 -47.785,-18.851 -47.785,-15.558 -48.01,-15.333
N15 on Bottom Layer "NONET_L-01_P-001" (solid, remove dead copper, pour order 763): -46.736,-15.333 -47.092,-15.689 -47.092,-18.161 -47.467,-18.536 -46.594,-19.409 -45.694,-19.409 -45.108,-18.823 -45.108,-15.509 -45.284,-15.333
N14 on Bottom Layer "NONET_L-01_P-001" (solid, remove dead copper, pour order 762): -44.273,-15.333 -44.686,-15.745 -44.686,-18.428 -44.69,-18.432 -43.044,-18.432 -42.306,-17.693 -42.306,-15.597 -42.57,-15.333
N13 on Bottom Layer "NONET_L-01_P-001" (solid, pour order 761): -41.172,-15.333 -41.846,-16.007 -41.846,-18.092 -42.24,-18.486 -41.3,-19.426 -38.427,-19.426 -38.427,-15.432 -38.526,-15.333
N9 on Bottom Layer "NONET_L-01_P-001" (solid, remove dead copper, pour order 760): -29.596,-15.333 -30.023,-15.76 -30.023,-18.559 -26.391,-18.559 -26.263,-18.432 -26.263,-15.634 -26.564,-15.333
N5 on Bottom Layer "NONET_L-01_P-001" (solid, remove dead copper, pour order 759): -17.239,-15.333 -17.603,-15.697 -17.603,-18.898 -14.309,-18.898 -13.843,-18.432 -13.843,-15.634 -14.144,-15.333
N12 on Bottom Layer "NONET_L-01_P-001" (solid, remove dead copper, pour order 749): -37.227,-15.333 -37.697,-15.803 -37.697,-18.559 -35.993,-18.559 -35.777,-18.343 -35.777,-15.571 -36.015,-15.333
N11 on Bottom Layer "NONET_L-01_P-001" (solid, remove dead copper, pour order 748): -34.577,-15.333 -35.047,-15.803 -35.047,-18.559 -33.343,-18.559 -33.127,-18.343 -33.127,-15.571 -33.365,-15.333
N10 on Bottom Layer "NONET_L-01_P-001" (solid, remove dead copper, pour order 747): -31.927,-15.333 -32.397,-15.803 -32.397,-18.559 -30.693,-18.559 -30.477,-18.343 -30.477,-15.571 -30.715,-15.333
N8 on Bottom Layer "NONET_L-01_P-001" (solid, remove dead copper, pour order 744): -24.864,-15.333 -25.276,-15.745 -25.276,-18.559 -23.63,-18.559 -23.414,-18.343 -23.414,-15.571 -23.652,-15.333
N7 on Bottom Layer "NONET_L-01_P-001" (solid, remove dead copper, pour order 743): -22.214,-15.333 -22.626,-15.745 -22.626,-18.559 -20.98,-18.559 -20.764,-18.343 -20.764,-15.571 -21.002,-15.333
N6 on Bottom Layer "NONET_L-01_P-001" (solid, remove dead copper, pour order 742): -19.564,-15.333 -19.976,-15.745 -19.976,-18.559 -18.33,-18.559 -18.114,-18.343 -18.114,-15.571 -18.352,-15.333
N1 on Bottom Layer "NONET_L-01_P-001" (solid, remove dead copper, pour order 518): -4.922,-18.559 -4.922,-15.505 -4.784,-15.366 -3.347,-15.366 -3.149,-15.565 -3.149,-18.932
N4 on Bottom Layer "NONET_L-01_P-001" (solid, remove dead copper, pour order 516): -12.301,-15.35 -12.872,-15.922 -12.872,-18.536 -11.972,-18.536 -11.099,-19.409 -10.6,-18.911 -10.6,-15.702 -10.952,-15.35
N3 on Bottom Layer "NONET_L-01_P-001" (solid, remove dead copper, pour order 515): -8.449,-19.409 -8.234,-19.194 -8.234,-15.567 -8.435,-15.366 -9.811,-15.366 -10.222,-15.777 -10.222,-18.536
N2 on Bottom Layer "NONET_L-01_P-001" (solid, remove dead copper, pour order 514): -7.572,-20.073 -7.572,-15.614 -7.325,-15.366 -5.858,-15.366 -5.575,-15.649 -5.575,-19.209 -5.82,-19.453
N4 on Bottom Layer "NONET_L-01_P-001" (solid, remove dead copper, shelved, pour order 984): 17 vertices, not listed, extent -29.148,-38.121 -12.964,-0.698
N20 on Bottom Layer "NONET_L-01_P-001" (solid, remove dead copper, pour order 948): -73.647,-26.819 -73.868,-26.819 -74.012,-26.963 -74.012,-28.489 -74.317,-28.794 -76.069,-28.794 -76.61,-29.335 -76.61,-30.476 -76.429,-30.657 -75.677,-30.657 -73.528,-28.508 -73.528,-26.939
N16 on Bottom Layer "NONET_L-01_P-001" (solid, remove dead copper, pour order 947): -61.147,-26.819 -61.368,-26.819 -61.512,-26.963 -61.512,-28.489 -61.817,-28.794 -63.569,-28.794 -63.923,-29.148 -63.923,-30.548 -63.814,-30.657 -63.177,-30.657 -61.028,-28.508 -61.028,-26.939
N12 on Bottom Layer "NONET_L-01_P-001" (solid, remove dead copper, pour order 946): -48.493,-26.818 -48.714,-26.818 -48.858,-26.962 -48.858,-28.487 -49.163,-28.793 -50.915,-28.793 -51.456,-29.334 -51.456,-30.474 -51.275,-30.656 -50.523,-30.656 -48.374,-28.507 -48.374,-26.937
N8 on Bottom Layer "NONET_L-01_P-001" (solid, remove dead copper, pour order 945): -36.073,-26.818 -36.293,-26.818 -36.437,-26.962 -36.437,-28.487 -36.743,-28.793 -38.494,-28.793 -39.036,-29.334 -39.036,-30.474 -38.854,-30.656 -38.102,-30.656 -35.953,-28.507 -35.953,-26.937
GND on Bottom Layer "NONET_L-01_P-001" (solid, remove dead copper, pour order 944): -11.256,-26.843 -11.477,-26.843 -11.621,-26.987 -11.621,-28.512 -11.926,-28.818 -13.678,-28.818 -14.144,-29.283 -14.144,-30.575 -14.038,-30.681 -13.286,-30.681 -11.137,-28.532 -11.137,-26.962
N4 on Bottom Layer "NONET_L-01_P-001" (solid, remove dead copper, pour order 943): -23.652,-26.818 -23.872,-26.818 -24.016,-26.962 -24.016,-28.487 -24.322,-28.793 -26.074,-28.793 -26.615,-29.334 -26.615,-30.474 -26.434,-30.656 -25.681,-30.656 -23.533,-28.507 -23.533,-26.937
N12 on Bottom Layer "NONET_L-01_P-001" (solid, remove dead copper, pour order 542): -38.985,-20.444 -38.142,-21.287 -38.142,-21.944 -37.617,-22.47 -36.474,-22.47 -36.058,-22.885 -36.058,-25.167 -36.287,-25.167 -36.376,-25.077 -36.376,-23.489 -36.693,-23.173 -40.387,-23.173 -40.71,-22.849 -40.71,-21.323 -39.832,-20.444
N17 on Bottom Layer "NONET_L-01_P-001" (solid, remove dead copper, pour order 584): -56.82,-20.446 -57.688,-21.314 -57.688,-21.971 -58.188,-22.471 -59.33,-22.471 -59.746,-22.887 -59.746,-25.168 -59.518,-25.168 -59.428,-25.079 -59.428,-23.491 -59.11,-23.173 -57.088,-23.173 -55.774,-21.858 -55.774,-20.645 -55.973,-20.446
N5 on Bottom Layer "NONET_L-01_P-001" (solid, remove dead copper, pour order 531): -19.324,-20.444 -20.192,-21.313 -20.192,-21.969 -20.692,-22.47 -21.835,-22.47 -22.251,-22.885 -22.251,-25.167 -22.022,-25.167 -21.933,-25.077 -21.933,-23.489 -21.615,-23.171 -19.592,-23.171 -18.278,-21.857 -18.278,-20.643 -18.477,-20.444
NetC48_2 on Bottom Layer "NONET_L-01_P-001" (solid, remove dead copper, pour order 706): -51.527,-33.685 -54.328,-33.685 -54.519,-33.875 -54.519,-35.35 -54.336,-35.533 -51.458,-35.533 -51.299,-35.374 -51.299,-33.913
NetC38_2 on Bottom Layer "NONET_L-01_P-001" (solid, remove dead copper, pour order 704): -39.222,-33.682 -42.023,-33.682 -42.213,-33.873 -42.213,-35.347 -42.03,-35.53 -39.152,-35.53 -38.994,-35.372 -38.994,-33.91
NetC28_2 on Bottom Layer "NONET_L-01_P-001" (solid, remove dead copper, pour order 702): -27.032,-33.685 -29.833,-33.685 -30.023,-33.875 -30.023,-35.35 -29.84,-35.533 -26.963,-35.533 -26.804,-35.374 -26.804,-33.913
NetC37_1 on Bottom Layer "NETC37_1_L04_P567" (solid, remove dead copper, pour order 567): -35.76,-26.796 -35.504,-26.796 -35.504,-34.034 -35.611,-34.142 -37.905,-34.142 -37.947,-34.1 -37.947,-30.769 -36.941,-29.763 -35.803,-28.625 -35.803,-26.84
NetL3_1 on Bottom Layer "NETL3_1_L04_P552" (solid, remove dead copper, pour order 552): -34.503,-28.984 -34.503,-30.279 -32.548,-32.235 -31.696,-32.235 -31.696,-31.245 -33.956,-28.984
NetL3_1 on Bottom Layer "NETL3_1_L04_P551" (solid, remove dead copper, pour order 551): 23 vertices, not listed, extent -37.947,-34.521 -30.436,-25.647
NetL5_1 on Bottom Layer "NETL5_1_L04_P555" (solid, remove dead copper, pour order 555): 23 vertices, not listed, extent -63.022,-34.522 -54.898,-25.648
NetL6_1 on Bottom Layer "NETL6_1_L04_P694" (solid, remove dead copper, pour order 694): 23 vertices, not listed, extent -75.522,-34.522 -67.788,-25.648
NetC49_1 on Bottom Layer "NONET_L-01_P-001" (solid, remove dead copper, pour order 699): -74.762,-30.011 -75.724,-30.972 -78.29,-30.972 -78.395,-31.077 -78.395,-32.286 -78.245,-32.436 -75.809,-32.436 -74.347,-33.898
NetC49_1 on Bottom Layer "NETC49_1_L04_P698" (solid, remove dead copper, pour order 698): -73.335,-26.798 -73.078,-26.798 -73.078,-34.036 -73.186,-34.143 -75.48,-34.143 -75.522,-34.101 -75.522,-30.77 -74.516,-29.764 -73.378,-28.627 -73.378,-26.841
N24 on Bottom Layer "N24_L04_P697" (solid, remove dead copper, pour order 697): -72.317,-29.894 -72.317,-30.341 -72.42,-30.444 -72.743,-30.444 -72.863,-30.324 -72.863,-29.914
N24 on Bottom Layer "N24_L04_P696" (solid, remove dead copper, pour order 696): -72.584,-26.796 -72.448,-26.932 -72.448,-29.138 -72.317,-29.27 -72.317,-29.894 -72.448,-30.026 -72.751,-30.026 -72.863,-29.914 -72.863,-29.135 -72.863,-26.949 -72.71,-26.796 -72.67,-26.796
NetL6_1 on Bottom Layer "NETL6_1_L04_P695" (solid, remove dead copper, pour order 695): -72.078,-28.986 -72.078,-30.281 -70.122,-32.236 -69.271,-32.236 -69.271,-31.246 -71.531,-28.986
N24 on Bottom Layer "NONET_L-01_P-001" (solid, remove dead copper, pour order 602): 22 vertices, not listed, extent -76.376,-25.154 -73.37,-18.259
N23 on Bottom Layer "NONET_L-01_P-001" (solid, remove dead copper, pour order 598): -72.345,-18.261 -72.622,-18.538 -72.622,-19.041 -73.619,-20.039 -74.516,-20.039 -75.006,-20.529 -75.006,-22.009 -74.496,-21.499 -73.05,-21.499 -73.05,-20.881 -71.954,-19.785 -71.222,-19.785 -70.848,-19.411 -70.848,-18.41 -70.997,-18.261
N23 on Bottom Layer "NONET_L-01_P-001" (solid, remove dead copper, pour order 595): -73.613,-20.446 -73.016,-21.042 -73.016,-25.079 -73.106,-25.168 -73.335,-25.168 -73.405,-25.098 -73.405,-22.876 -74.031,-22.25 -74.864,-22.25 -75.005,-22.109 -75.005,-20.671 -74.779,-20.446
N22 on Bottom Layer "NONET_L-01_P-001" (solid, remove dead copper, pour order 600): -69.695,-18.284 -69.972,-18.56 -69.972,-19.06 -70.973,-20.062 -71.866,-20.062 -72.247,-20.443 -72.247,-21.923 -71.846,-21.522 -70.765,-21.522 -70.765,-21.088 -69.486,-19.808 -68.572,-19.808 -68.198,-19.434 -68.198,-18.433 -68.347,-18.284
N21 on Bottom Layer "NONET_L-01_P-001" (solid, remove dead copper, pour order 597): -69.32,-20.446 -70.188,-21.314 -70.188,-21.971 -70.688,-22.471 -71.83,-22.471 -72.246,-22.887 -72.246,-25.168 -72.018,-25.168 -71.928,-25.079 -71.928,-23.491 -71.61,-23.173 -69.588,-23.173 -68.274,-21.858 -68.274,-20.645 -68.473,-20.446
N22 on Bottom Layer "NONET_L-01_P-001" (solid, remove dead copper, pour order 594): -72.267,-20.446 -72.863,-21.042 -72.863,-25.079 -72.774,-25.168 -72.545,-25.168 -72.474,-25.098 -72.474,-22.876 -71.848,-22.25 -71.015,-22.25 -70.782,-22.016 -70.782,-20.763 -71.1,-20.446
N21 on Bottom Layer "NONET_L-01_P-001" (solid, remove dead copper, pour order 601): -67.321,-18.284 -67.598,-18.56 -67.598,-19.237 -68.423,-20.062 -69.492,-20.062 -70.188,-20.757 -70.188,-22.238 -69.472,-21.522 -68.392,-21.522 -68.392,-21.377 -66.823,-19.808 -65.967,-19.808 -65.825,-19.665 -65.825,-18.433 -65.974,-18.284
N13 on Bottom Layer "NONET_L-01_P-001" (solid, remove dead copper, pour order 593): -41.495,-18.284 -38.486,-18.284 -38.427,-18.343 -38.427,-19.426 -38.808,-19.808 -41.488,-19.808
N17 on Bottom Layer "NONET_L-01_P-001" (solid, remove dead copper, pour order 592): -53.903,-18.284 -51.198,-18.284 -51.021,-18.461 -51.021,-19.612 -51.217,-19.808 -53.896,-19.808
N16 on Bottom Layer "NONET_L-01_P-001" (solid, remove dead copper, pour order 591): -51.299,-20.037 -54.109,-20.037 -54.564,-20.493 -54.564,-21.496 -54.322,-21.738 -52.553,-21.738 -51.801,-22.491
N12 on Bottom Layer "NONET_L-01_P-001" (solid, remove dead copper, pour order 590): -38.974,-20.037 -41.591,-20.037 -42.167,-20.614 -42.167,-21.56 -42.085,-21.642 -40.245,-21.642 -39.481,-22.407
N8 on Bottom Layer "NONET_L-01_P-001" (solid, remove dead copper, pour order 589): -27.097,-20.037 -29.15,-20.037 -29.657,-20.544 -29.657,-22.17 -29.007,-22.821 -26.259,-22.821 -26.259,-20.876
N20 on Bottom Layer "NONET_L-01_P-001" (solid, remove dead copper, pour order 586): -62.495,-18.261 -62.772,-18.538 -62.772,-19.068 -63.742,-20.039 -64.666,-20.039 -65.047,-20.42 -65.047,-21.9 -64.646,-21.499 -63.2,-21.499 -63.2,-20.867 -62.118,-19.785 -61.372,-19.785 -60.998,-19.411 -60.998,-18.41 -61.147,-18.261